# Altium PCB NANOEveryV3.0.PcbDoc
Units mil, origin at the board's own origin, x right, y up, seen from the top; angles counter-clockwise.
Board outline 1700 x 700 mil, 4 copper layers (Top, PWR, MID, Bottom), stack 36.419 mil thick; 54 components, 49 nets, 279 pads, 133 vias.
Unrouted connection lines stored in the file: 4.
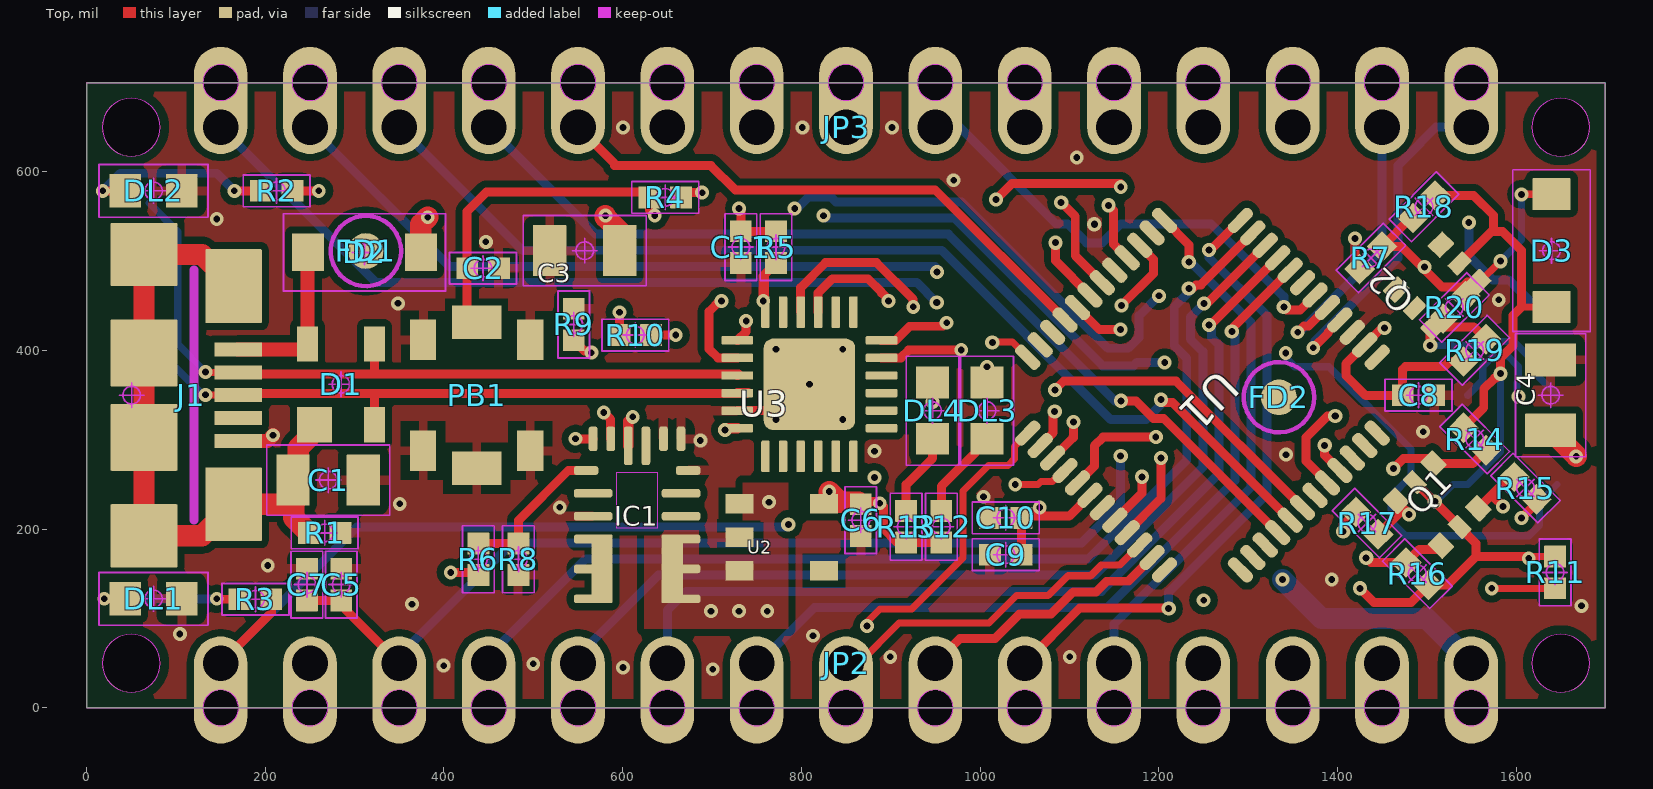
[diagram p0: Top view]
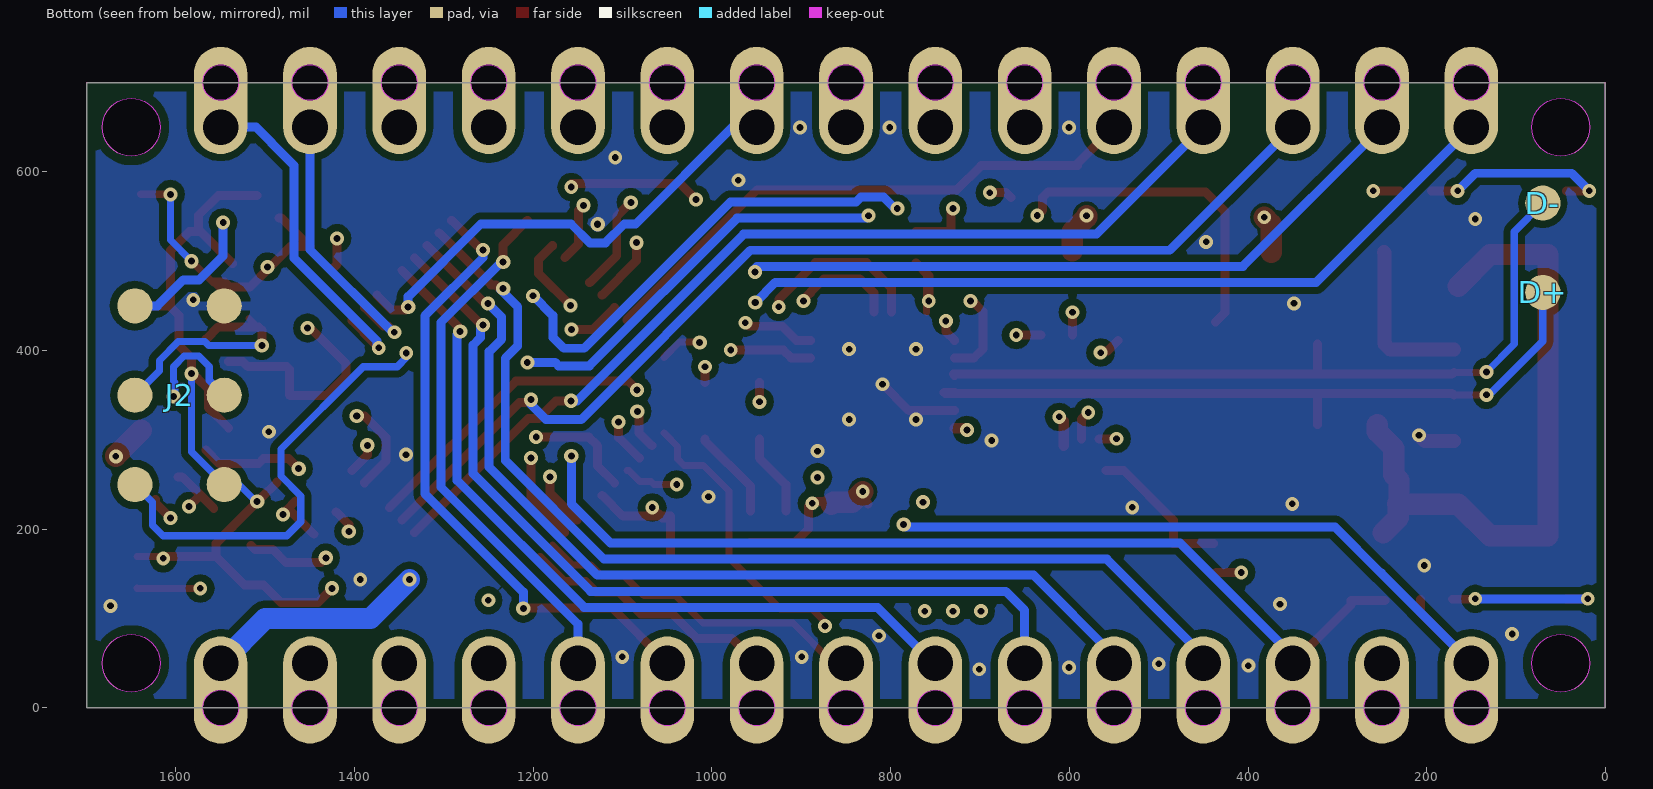
[diagram p1: Bottom view, seen from below]
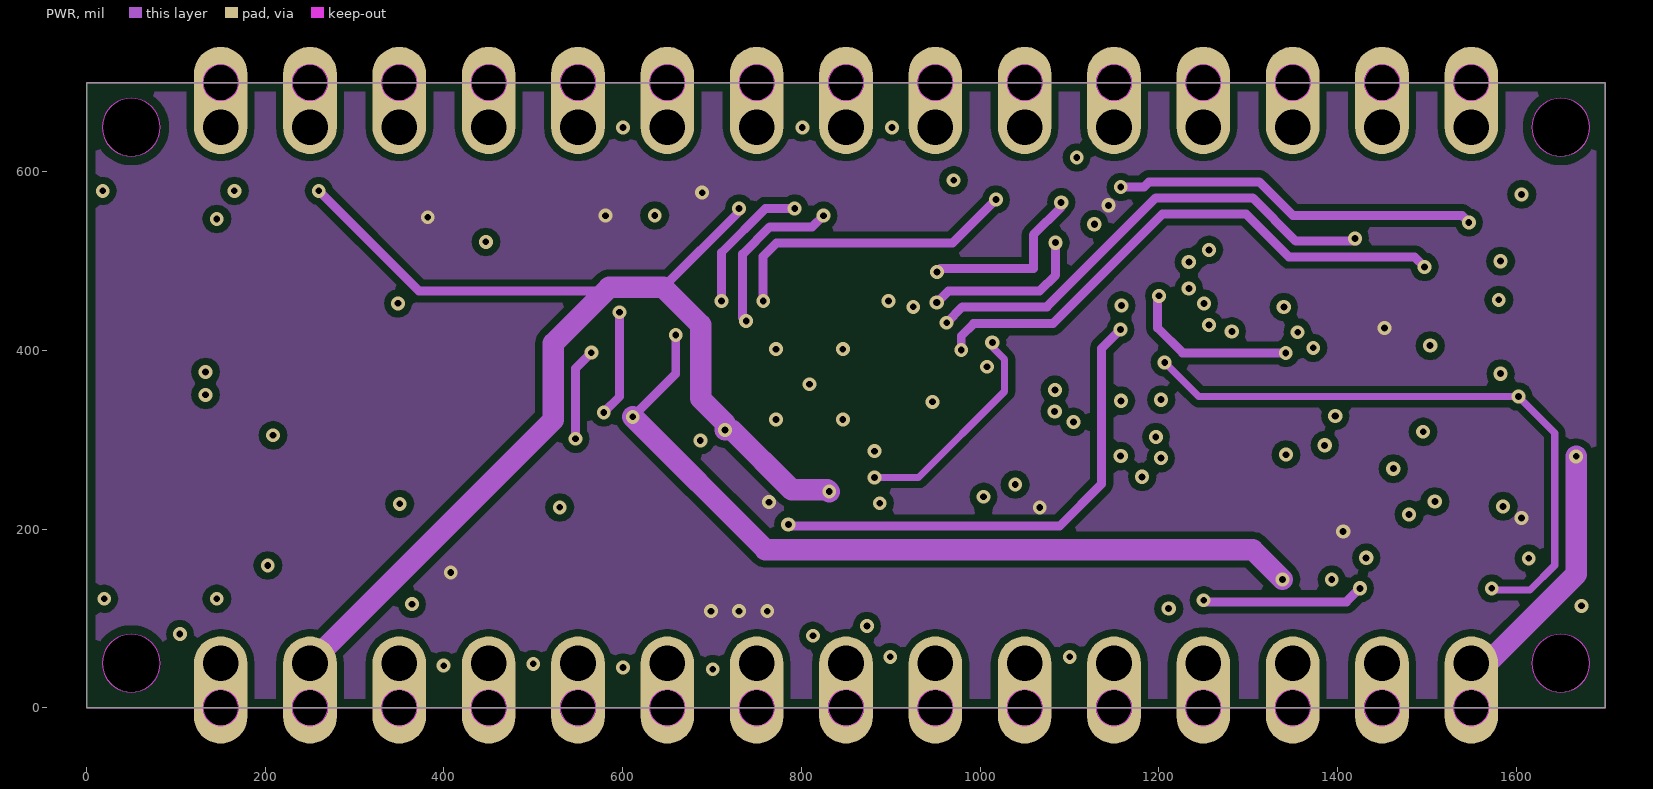
[diagram p2: PWR]
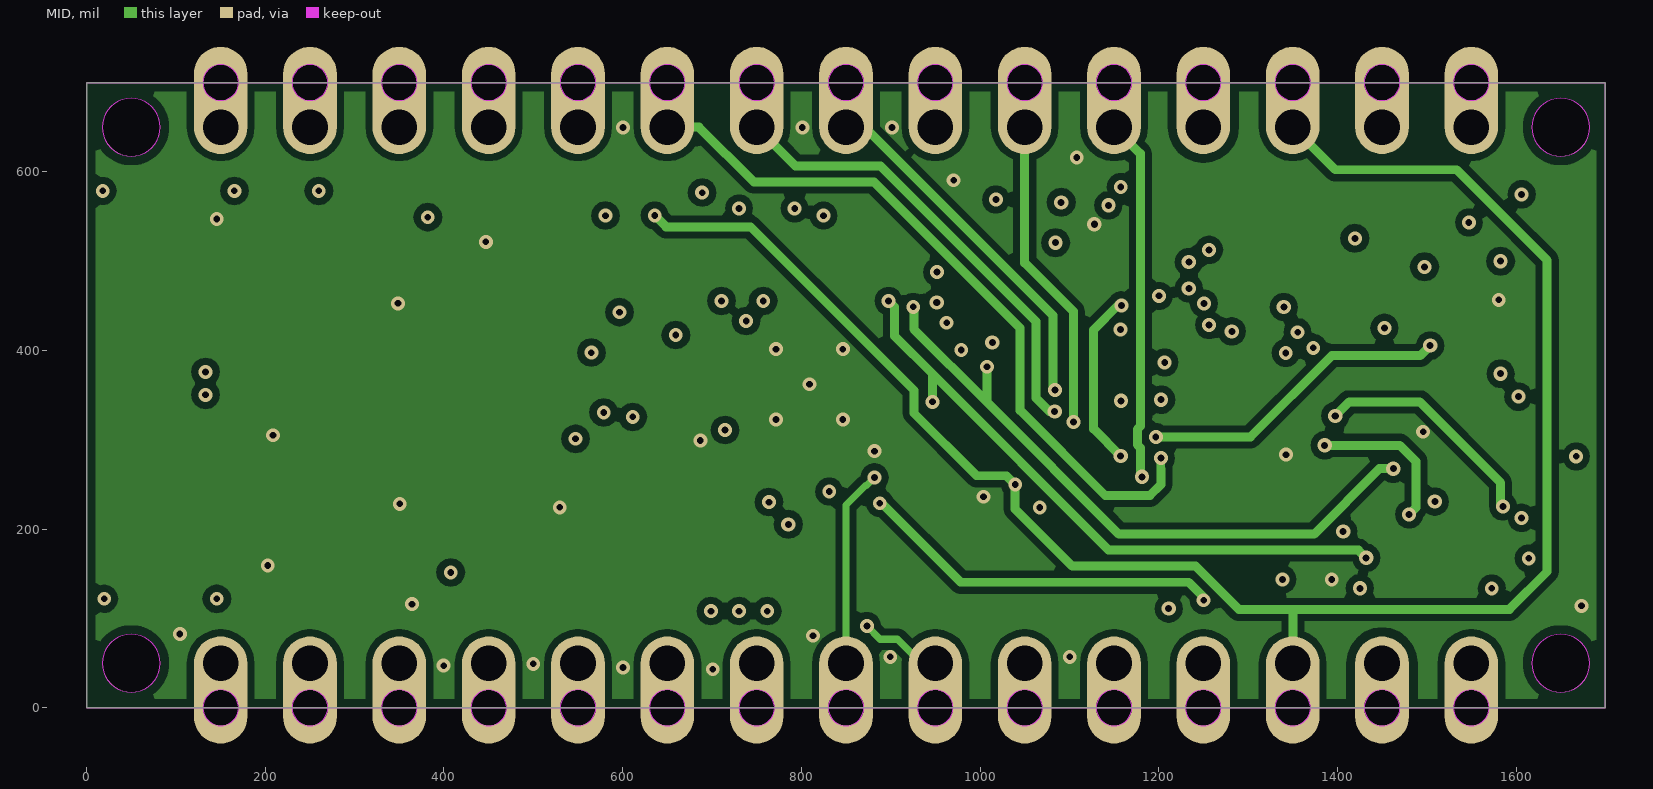
[diagram p3: MID]

## Layer stack, top to bottom
Top Solder: solder mask 0.4, Solder Resist, Dk 3.5
Top: signal copper 1.378
Dielectric 1: core 7.874, FR-4, Dk 4.8
PWR: signal copper 0.689
Dielectric3: core 11.811, FR-4, Dk 4.8
MID: signal copper 0.689
Dielectric2: dielectric 12.6, FR-4, Dk 4.8
Bottom: signal copper 1.378
Bottom Solder: solder mask 0.4, Solder Resist, Dk 3.5

## Board outline
1700,0 0,0 0,700 1700,700
cut-out: 1650,17.5 ccw(c1650,50) 1682.5,50 ccw(c1650,50) 1650,82.5 ccw(c1650,50) 1617.5,50 ccw(c1650,50)
cut-out: 1650,617.5 ccw(c1650,650) 1682.5,650 ccw(c1650,650) 1650,682.5 ccw(c1650,650) 1617.5,650 ccw(c1650,650)
cut-out: 50,617.5 ccw(c50,650) 82.5,650 ccw(c50,650) 50,682.5 ccw(c50,650) 17.5,650 ccw(c50,650)
cut-out: 50,17.5 ccw(c50,50) 82.5,50 ccw(c50,50) 50,82.5 ccw(c50,50) 17.5,50 ccw(c50,50)
cut-out: 550,680 ccw(c550,700) 570,700 ccw(c550,700) 550,720 ccw(c550,700) 530,700 ccw(c550,700)
cut-out: 650,680 ccw(c650,700) 670,700 ccw(c650,700) 650,720 ccw(c650,700) 630,700 ccw(c650,700)
cut-out: 750,680 ccw(c750,700) 770,700 ccw(c750,700) 750,720 ccw(c750,700) 730,700 ccw(c750,700)
cut-out: 450,680 ccw(c450,700) 470,700 ccw(c450,700) 450,720 ccw(c450,700) 430,700 ccw(c450,700)
cut-out: 150,680 ccw(c150,700) 170,700 ccw(c150,700) 150,720 ccw(c150,700) 130,700 ccw(c150,700)
cut-out: 250,680 ccw(c250,700) 270,700 ccw(c250,700) 250,720 ccw(c250,700) 230,700 ccw(c250,700)
cut-out: 350,680 ccw(c350,700) 370,700 ccw(c350,700) 350,720 ccw(c350,700) 330,700 ccw(c350,700)
cut-out: 850,680 ccw(c850,700) 870,700 ccw(c850,700) 850,720 ccw(c850,700) 830,700 ccw(c850,700)
cut-out: 1350,680 ccw(c1350,700) 1370,700 ccw(c1350,700) 1350,720 ccw(c1350,700) 1330,700 ccw(c1350,700)
cut-out: 1450,680 ccw(c1450,700) 1470,700 ccw(c1450,700) 1450,720 ccw(c1450,700) 1430,700 ccw(c1450,700)
cut-out: 1550,680 ccw(c1550,700) 1570,700 ccw(c1550,700) 1550,720 ccw(c1550,700) 1530,700 ccw(c1550,700)
cut-out: 1250,680 ccw(c1250,700) 1270,700 ccw(c1250,700) 1250,720 ccw(c1250,700) 1230,700 ccw(c1250,700)
cut-out: 950,680 ccw(c950,700) 970,700 ccw(c950,700) 950,720 ccw(c950,700) 930,700 ccw(c950,700)
cut-out: 1050,680 ccw(c1050,700) 1070,700 ccw(c1050,700) 1050,720 ccw(c1050,700) 1030,700 ccw(c1050,700)
cut-out: 1150,680 ccw(c1150,700) 1170,700 ccw(c1150,700) 1150,720 ccw(c1150,700) 1130,700 ccw(c1150,700)
cut-out: 1150,-20 ccw(c1150,0) 1170,0 ccw(c1150,0) 1150,20 ccw(c1150,0) 1130,0 ccw(c1150,0)
cut-out: 1050,-20 ccw(c1050,0) 1070,0 ccw(c1050,0) 1050,20 ccw(c1050,0) 1030,0 ccw(c1050,0)
cut-out: 950,-20 ccw(c950,0) 970,0 ccw(c950,0) 950,20 ccw(c950,0) 930,0 ccw(c950,0)
cut-out: 1250,-20 ccw(c1250,0) 1270,0 ccw(c1250,0) 1250,20 ccw(c1250,0) 1230,0 ccw(c1250,0)
cut-out: 1550,-20 ccw(c1550,0) 1570,0 ccw(c1550,0) 1550,20 ccw(c1550,0) 1530,0 ccw(c1550,0)
cut-out: 1450,-20 ccw(c1450,0) 1470,0 ccw(c1450,0) 1450,20 ccw(c1450,0) 1430,0 ccw(c1450,0)
cut-out: 1350,-20 ccw(c1350,0) 1370,0 ccw(c1350,0) 1350,20 ccw(c1350,0) 1330,0 ccw(c1350,0)
cut-out: 850,-20 ccw(c850,0) 870,0 ccw(c850,0) 850,20 ccw(c850,0) 830,0 ccw(c850,0)
cut-out: 350,-20 ccw(c350,0) 370,0 ccw(c350,0) 350,20 ccw(c350,0) 330,0 ccw(c350,0)
cut-out: 250,-20 ccw(c250,0) 270,0 ccw(c250,0) 250,20 ccw(c250,0) 230,0 ccw(c250,0)
cut-out: 150,-20 ccw(c150,0) 170,0 ccw(c150,0) 150,20 ccw(c150,0) 130,0 ccw(c150,0)
cut-out: 450,-20 ccw(c450,0) 470,0 ccw(c450,0) 450,20 ccw(c450,0) 430,0 ccw(c450,0)
cut-out: 750,-20 ccw(c750,0) 770,0 ccw(c750,0) 750,20 ccw(c750,0) 730,0 ccw(c750,0)
cut-out: 650,-20 ccw(c650,0) 670,0 ccw(c650,0) 650,20 ccw(c650,0) 630,0 ccw(c650,0)
cut-out: 550,-20 ccw(c550,0) 570,0 ccw(c550,0) 550,20 ccw(c550,0) 530,0 ccw(c550,0)

## Design rules (kind name [scope] priority, off if disabled: settings)
BoardOutlineClearance mdCopperDimension [All] p1: gap=10 ignorepadtopadclearanceinfootprint=FALSE except(0: Arc-SplitContinuation Track-SplitContinuation SMDPad-SplitContinuation THPad-SplitContinuation Via-SplitContinuation Fill-SplitContinuation Poly-SplitContinuation Region-SplitContinuation Text-SplitContinuation)
Clearance "Clearance (Same Net)" [All] p1: gap=8 ignorepadtopadclearanceinfootprint=FALSE
Clearance Clearance_for_NetClass_usb [InNetClass('usb') vs InNetClass('usb')] p2: gap=5 ignorepadtopadclearanceinfootprint=FALSE
Clearance [All] p3: gap=8 ignorepadtopadclearanceinfootprint=FALSE
HoleSize HoleSize_For_NetClass_usb [InNetClass('usb')] p1: absolutevalues=TRUE maxlimit=7.48 minlimit=7.48 maxpercent=80.000 minpercent=20.000
HoleSize [All] p2: absolutevalues=TRUE maxlimit=100000 minlimit=7.48 maxpercent=80.000 minpercent=20.000
HoleToHoleClearance mdDrill [All] p1: gap=8 allowstackedmicrovias=TRUE
MinimumSolderMaskSliver [All] p1 off: minsoldermaskwidth=10
PasteMaskExpansion Expansion_SMDPaste_OFF [InPadClass('SMDPaste_OFF')] p1: expansion=0
PasteMaskExpansion mlMinCreamFrame [All] p2: expansion=0
PolygonConnect PolygonConnect_For_PolygonThermal_ON_Width100000_Gap100000 [InPolygonClass('PolygonThermal_ON_Width100000_Gap100000') vs Not IsVia] p1: connectstyle=Relief reliefconductorwidth=10 reliefentries=4 polygonreliefangle="90 Angle" airgapwidth=10
PolygonConnect PolygonConnect_For_PolygonThermal_OFF [InPolygonClass('PolygonThermal_OFF')] p2: connectstyle=Direct reliefconductorwidth=10 reliefentries=4 polygonreliefangle="90 Angle" airgapwidth=10
PolygonConnect ThermalVias [IsVia] p3: connectstyle=Direct reliefconductorwidth=10 reliefentries=4 polygonreliefangle="90 Angle" airgapwidth=10
PolygonConnect [All] p4: connectstyle=Relief reliefconductorwidth=10 reliefentries=4 polygonreliefangle="90 Angle" airgapwidth=10
RoutingVias [All] p1: holewidth=7.48 width=15.48 viastyle="Through Hole" minholewidth=7.48 minwidth=15.48 maxholewidth=100 maxwidth=100
SolderMaskExpansion Expansion_SMDSolder_OFF [InPadClass('SMDSolder_OFF')] p1: expansion=0 istentingtop=FALSE
SolderMaskExpansion mlMinStopFrame [All] p2: expansion=4 istentingtop=FALSE
Width Width_For_NetClass_usb [InNetClass('usb')] p1: maxlimit=10 minlimit=7.48 preferedwidth=7.48
Width [All] p2: maxlimit=10000 minlimit=8 preferedwidth=8
26 further rules are at their usual default settings.

## Classes and differential pairs
polygon class PolygonThermal_ON_Width100000_Gap100000: Polygon_1_Net_+5V Polygon_1_Net_GND Polygon_2_Net_GND Polygon_3_Net_GND
polygon class PolygonThermal_OFF: Polygon_2_Net_+5V
pad class SMDSolder_OFF: IC1-1 IC1-2 IC1-3 IC1-4 IC1-5 IC1-6 IC1-7 IC1-8 IC1-9 IC1-10 IC1-11 IC1-12 IC1-13 IC1-14 IC1-15 IC1-16 IC1-17 IC1-18 U1-EP U3-1 U3-2 U3-3 U3-4 U3-5 U3-6 U3-7 U3-8 U3-9 U3-10 U3-11 U3-12 U3-13 U3-14 U3-15 U3-16 U3-17 U3-18 U3-19 U3-20 U3-21 U3-22 U3-23 U3-24 U3-EXP
pad class SMDPaste_OFF: D+-X D--X FD1-P$1 FD2-P$1 J2-1 J2-2 J2-3 J2-4 J2-5 J2-6 U1-EP U3-1 U3-2 U3-3 U3-4 U3-5 U3-6 U3-7 U3-8 U3-9 U3-10 U3-11 U3-12 U3-13 U3-14 U3-15 U3-16 U3-17 U3-18 U3-19 U3-20 U3-21 U3-22 U3-23 U3-24 U3-EXP
net class usb: USB_N USB_P

## Components (designator, comment, footprint, x,y, rotation, side; value= is the part's Value field where it differs from the comment)
C1 "" 0805-R2013X50N 270.37,254.92 r0 top
C2 "" 0402-1005X55N 443.7,492.13 r0 top
C3 "" 0805-R2013X50N 557.58,511.81 r180 top
C4 "" 0805-R2013X50N 1638.78,350 r90 top
C5 "" 0402-1005X55N 284.94,137.99 r90 top
C6 "" 0402-1005X55N 866.54,210.14 r270 top
C7 "" 0402-1005X55N 246.56,137.99 r90 top
C8 "" 0402-1005X55N 1490.85,350 r180 top
C9 "" 0402-1005X55N 1028.84,171.46 r0 top
C10 "" 0402-1005X55N 1028.84,212.7 r0 top
C11 "" 0402-1005X55N 732.28,515.75 r90 top
D1 "" SOT190P230X110-4N 284.65,362.2 r90 top
D2 "PMEG6020" SODFL3517X110N 311.02,509.84 r180 top
D3 "DNP" SODFL3517X110N 1639.76,511.81 r90 top
D+ "" TP-1.00MM 70,465 r0 top
D- "" TP-1.00MM 70,565 r0 top
DL1 "" LEDC1608X80N-AK 74.8,122.05 r180 top
DL2 "" LEDC1608X80N-AK 74.8,578.74 r180 top
DL3 "" LEDC1608X80N-AK 1007.87,332.68 r270 top
DL4 "" LEDC1608X80N-AK 946.85,332.68 r270 top
FD1 "" FD-1-1.5 312.6,511.42 r0 top
FD2 "" FD-1-1.5 1334.65,347.64 r0 top
FRAME1 "" FRAME 5.91,-125.98 r0 top
IC1 "MPM3610" MPM3610 616.14,204.72 r0 top
J1 "" ZX62-AB-5PA 50.39,350 r270 top
J2 "" 2X03-TP 1596,350 r90 top
JP2 "-" 1X15-CASTELL 850,50 r0 top
JP3 "" 1X15-CASTELL 850,650 r180 top
PB1 "" C&K_PTS820_NO_HOLES 436.61,350 r90 top
Q1 "BSS138PS" SOT363 1511.81,227.56 r45 top
Q2 "BSS138PS" SOT363 1511.81,472.44 r135 top
R1 "" 0402-1005X55N 266.44,195.87 r180 top
R2 "" 0402-1005X55N 212.6,578.74 r0 top
R3 "" 0402-1005X55N 188.98,121.56 r0 top
R4 "" 0402-1005X55N 647.64,571.36 r0 top
R5 "" 0402-1005X55N 771.65,515.75 r90 top
R6 "" 0402-1005X55N 438.48,166.34 r270 top
R7 "" 0402-1005X55N 1437.58,503.7 r225 top
R8 "" 0402-1005X55N 483.27,166.34 r90 top
R9 "" 0402-1005X55N 545.28,429.13 r270 top
R10 "" 0402-1005X55N 614.17,417.32 r0 top
R11 "" 0402-1005X55N 1643.7,151.57 r270 top
R12 "" 0402-1005X55N 956.69,202.76 r270 top
R13 "" 0402-1005X55N 917.32,202.76 r270 top
R14 "" 0402-1005X55N 1553.73,300.94 r135 top
R15 "" 0402-1005X55N 1610.57,246.06 r315 top
R16 "" 0402-1005X55N 1489.58,150.18 r315 top
R17 "" 0402-1005X55N 1433.21,206.83 r135 top
R18 "" 0402-1005X55N 1496.98,560.92 r45 top
R19 "" 0402-1005X55N 1553.73,400.18 r225 top
R20 "" 0402-1005X55N 1530.94,448.26 r225 top
U1 "ATMEGA4809" TQFP48 1249.02,350 r135 top
U2 "" SOT25 778.05,190.94 r90 top
U3 "" HVQFN24 809.06,362.2 r0 top

## Footprints (in the part's own frame and the unit in brackets; to place one, negate y for a bottom-side part, rotate by r counter-clockwise, add the part's x,y. Pads: shape width x height; smd on the part's side, far side on the other; paste and mask are expansions set on the pad)
1X15-CASTELL [mil] "1X15-CASTELL"
  oval 60x120 hole 40 copper offset 0,-30: 1(-700,0) 2(-600,0) 3(-500,0) 4(-400,0) 5(-300,0) 6(-200,0) 7(-100,0) 8(0,0) 9(100,0) 10(200,0) 11(300,0) 12(400,0) 13(500,0) 14(600,0) 15(700,0)
  body extent -730,-90 730,30, height 150
2X03-TP [mm] "2X03-TP"
  rrect100% 1x1 smd far side paste+0: 1(-2.54,1.27) 2(-2.54,-1.27) 3(0,1.27) 4(0,-1.27) 5(2.54,1.27) 6(2.54,-1.27)
  body extent -3.05,-1.78 3.05,1.78, height 1.27
0402-1005X55N [mm] "0402-1005X55N"
  rrect3% 0.62x0.62 smd: 1(-0.45,0) 2(0.45,0)
  Top keep-out circle w0.05: c0,0 r0.25
  Top keep-out lines w0.05: -0.35,0 0.35,0 ; 0,-0.35 0,0.35 ; -0.95,-0.45 -0.95,0.45 0.95,0.45 0.95,-0.45 -0.95,-0.45
  body extent -0.98,-0.48 0.98,0.48, height 3.81
0805-R2013X50N [mm] "0805-R2013X50N"
  rrect3% 0.95x1.45 smd: 1(-1,0) 2(1,0)
  Top keep-out circle w0.05: c0,0 r0.25
  Top keep-out lines w0.05: -0.35,0 0.35,0 ; 0,-0.35 0,0.35 ; -1.75,-1 -1.75,1 1.75,1 1.75,-1 -1.75,-1
  body extent -1.78,-1.03 1.78,1.03, height 3.81
C&K_PTS820_NO_HOLES [mm] "C&K_PTS820_NO_HOLES"
  rect 1.15x0.75 smd: 1(-1.575,1.525) 2(-1.575,-1.525) 3(1.575,1.525) 4(1.575,-1.525)
  rect 0.95x1.4 smd: 5(-2.075,0) 6(2.075,0)
  body extent -2.55,-1.9 2.55,1.9, height 1.27
FD-1-1.5 [mil] "FD-1-1.5"
  rrect100% 40x40 smd paste+0: P$1(0,0)
  Top keep-out circle w5: c0,0 r39.37
  body extent -44,-44 44,44, height 150
FRAME [mil] "FRAME"
HVQFN24 [mil] "HVQFN24"
  rrect30% 9.45x35.43 smd paste+0 mask+0: 1(-49.21,-80.71) 2(-29.53,-80.71) 3(-9.84,-80.71) 4(9.84,-80.71) 5(29.53,-80.71) 6(49.21,-80.71) 13(49.21,80.71) 14(29.53,80.71) 15(9.84,80.71) 16(-9.84,80.71) 17(-29.53,80.71) 18(-49.21,80.71)
  rrect30% 35.43x9.45 smd paste+0 mask+0: 7(80.71,-49.21) 8(80.71,-29.53) 9(80.71,-9.84) 10(80.71,9.84) 11(80.71,29.53) 12(80.71,49.21) 19(-80.71,49.21) 20(-80.71,29.53) 21(-80.71,9.84) 22(-80.71,-9.84) 23(-80.71,-29.53) 24(-80.71,-49.21)
  rrect20% 102.36x102.36 smd paste+0 mask+0: EXP(0,0)
  body extent -99,-99 99,99, height 150
LEDC1608X80N-AK [mil] "LEDC1608X80N-AK"
  rrect3% 35.43x37.4 smd: A(31.5,0) C(-31.5,0)
  Top keep-out circle w1.97: c0,0 r9.84
  Top keep-out lines w1.97: 13.78,0 -13.78,0 ; 0,13.78 0,-13.78 ; 61.02,29.53 -61.02,29.53 -61.02,-29.53 61.02,-29.53 61.02,29.53
  body extent -62,-31 62,31, height 150
MPM3610 [mm] "MPM3610"
  rrect60% 0.7x0.25 smd mask+0: 1(-1.45,1.55) 4(-1.45,-0.4) 5(-1.45,-1.25) 6(-1.45,-2.1) 7(1.45,-2.1) 8(1.45,-1.25) 9(1.45,-0.4) 12(1.45,1.55)
  rrect60% 1.1x0.25 smd mask+0: 2(-1.25,0.9) 3(-1.25,0.25) 10(1.25,0.25) 11(1.25,0.9)
  rrect60% 0.25x0.7 smd mask+0: 13(1.25,2.45) 14(0.75,2.45) 17(-0.75,2.45) 18(-1.25,2.45)
  rrect60% 0.25x1.1 smd mask+0: 15(0.25,2.25) 16(-0.25,2.25)
  rrect10% 0.6x1.95 smd: 19(-1,-1.25) 20(1,-1.25)
  Top keep-out region: -0.575,-0.1 -0.575,1.5 0.575,1.5 0.575,-0.1
  body extent -1.82,-2.27 1.82,2.82, height 3.81
SODFL3517X110N [mil] "SODFL3517X110N"
  rrect2% 35.83x42.13 smd: A(63.19,0) C(-63.19,0)
  Top keep-out circle w1.97: c0,0 r9.84
  Top keep-out lines w1.97: 13.78,0 -13.78,0 ; 0,13.78 0,-13.78 ; 90.55,43.31 90.55,-43.31 -90.55,-43.31 -90.55,43.31 90.55,43.31
  body extent -92,-44 92,44, height 150
SOT25 [mil] "SOT25"
  rect 21.65x31.5 smd: 1(37.4,47.24) 2(0,47.24) 3(-37.4,47.24) 4(-37.4,-47.24) 5(37.4,-47.24)
  body extent -48,-63 48,63, height 50
SOT190P230X110-4N [mm] "SOT190P230X110-4N"
  rrect3% 1x1 smd: 1(-1.15,0.75)
  rrect3% 1x0.6 smd: 2(-1.15,-0.95) 3(1.15,-0.95) 4(1.15,0.95)
  Top keep-out circle w0.05: c0,0 r0.25
  Top keep-out lines w0.05: 0,0.35 0,-0.35 ; -0.35,0 0.35,0
  body extent -1.65,-1.46 1.65,1.46, height 3.81
SOT363 [mil] "SOT363"
  rrect10% 19.69x23.62 smd: 1(-29.53,-35.43) 3(29.53,-35.43) 4(29.53,35.43) 6(-29.53,35.43)
  rrect10% 15.75x23.62 smd: 2(0,-35.43) 5(0,35.43)
  body extent -39,-47 39,47, height 50
TP-1.00MM [mm] "TP-1.00MM"
  rrect100% 1x1 smd far side paste+0: X(0,0)
  body extent -0.51,-0.51 0.51,0.51, height 1.27
TQFP48 [mil] "TQFP48"
  rrect80% 33.46x12.6 smd: 1(-168.31,108.27) 2(-168.31,88.58) 3(-168.31,68.9) 4(-168.31,49.21) 5(-168.31,29.53) 6(-168.31,9.84) 7(-168.31,-9.84) 8(-168.31,-29.53) 9(-168.31,-49.21) 10(-168.31,-68.9) 11(-168.31,-88.58) 12(-168.31,-108.27) 25(168.31,-108.27) 26(168.31,-88.58) 27(168.31,-68.9) 28(168.31,-49.21) 29(168.31,-29.53) 30(168.31,-9.84) 31(168.31,9.84) 32(168.31,29.53) 33(168.31,49.21) 34(168.31,68.9) 35(168.31,88.58) 36(168.31,108.27)
  rrect80% 12.6x33.46 smd: 13(-108.27,-168.31) 14(-88.58,-168.31) 15(-68.9,-168.31) 16(-49.21,-168.31) 17(-29.53,-168.31) 18(-9.84,-168.31) 19(9.84,-168.31) 20(29.53,-168.31) 21(49.21,-168.31) 22(68.9,-168.31) 23(88.58,-168.31) 24(108.27,-168.31) 37(108.27,168.31) 38(88.58,168.31) 39(68.9,168.31) 40(49.21,168.31) 41(29.53,168.31) 42(9.84,168.31) 43(-9.84,168.31) 44(-29.53,168.31) 45(-49.21,168.31) 46(-68.9,168.31) 47(-88.58,168.31) 48(-108.27,168.31)
  body extent -185,-185 185,185, height 150
ZX62-AB-5PA [mm] "ZX62-AB-5PA"
  rrect3% 0.4x1.35 smd: 1(-1.3,3.025) 2(-0.65,3.025) 3(0,3.025) 4(0.65,3.025) 5(1.3,3.025)
  rrect3% 2.1x1.6 smd: 6(3.1,2.9) 11(-3.1,2.9)
  rrect3% 1.8x1.9 smd: 7(4,0.35) 10(-4,0.35)
  rrect3% 1.9x1.9 smd: 8(1.2,0.35) 9(-1.2,0.35)
  Top keep-out circle w0.05: c0,0 r0.25
  Top keep-out lines w0.05: 0,-0.35 0,0.35 ; 0.35,0 -0.35,0
  Top keep-out lines w0.254: 3.556,1.778 -3.556,1.778
  body extent -4.9,-2.41 4.9,3.7, height 3.81

## Part data
C1 C3 C4: library part 0805-R2013X50N, PackageName=0805-R2013X50N
C2 C5 C6 C7 C8 C9 C10 C11 R1 R2 R3 R4 R5 R6 R7 R8 R9 R10 R11 R12 R13 R14 R15 R16 R17 R18 R19 R20: library part 0402-1005X55N, PackageName=0402-1005X55N
D1: library part SOT190P230X110-4N, PackageName=SOT190P230X110-4N
D2 D3: library part SODFL3517X110N, PackageName=SODFL3517X110N
D+ D-: library part TP-1.00MM, PackageName=TP-1.00MM
DL1 DL2 DL3 DL4: library part LEDC1608X80N-AK, PackageName=LEDC1608X80N-AK
FD1 FD2: library part FD-1-1.5, PackageName=FD-1-1.5
FRAME1: library part FRAME, PackageName=FRAME
J1: library part ZX62-AB-5PA, PackageName=ZX62-AB-5PA
J2: library part 2X03-TP, PackageName=2X03-TP
JP2 JP3: library part 1X15-CASTELL, PackageName=1X15-CASTELL
PB1: library part C&K_PTS820_NO_HOLES, PackageName=C&K_PTS820_NO_HOLES
Q1 Q2: library part SOT363, PackageName=SOT363
U1: library part TQFP48, PackageName=TQFP48
U2: library part SOT25, PackageName=SOT25
U3: library part HVQFN24, PackageName=HVQFN24
IC1: PackageName=MPM3610

## Free pads (board coordinates)
  round 65 hole 65 unplated: MH1(50,650) MH2(50,50) MH3(1650,50) MH4(1650,650)
  round 40 hole 40 unplated: MH1(150,700) MH1(1550,0) MH2(250,700) MH2(1450,0) MH3(350,700) MH3(1350,0) MH4(450,700) MH4(1250,0) MH5(550,700) MH5(1150,0) MH6(650,700) MH6(1050,0) MH7(750,700) MH7(950,0) MH8(850,0) MH8(850,700) MH9(750,0) MH9(950,700) MH10(650,0) MH10(1050,700) MH11(550,0) MH11(1150,700) MH12(450,0) MH12(1250,700) MH13(350,0) MH13(1350,700) MH14(250,0) MH14(1450,700) MH15(150,0) MH15(1550,700)

## Via types
v1: diameter 15.48/15.48/15.48/15.48 (per signal layer), hole 7.48, Top to Bottom, 87 vias
v2: diameter 15.87/15.87/15.87/15.87 (per signal layer), hole 7.87, Top to Bottom, 46 vias

## Nets (pads, with @x,y where several pads share a name; then routed paths per layer and width w, separated by ;. In a path a pad name is that pad's centre, name@x,y a point inside that pad or via, vN(x,y) a via of type N, cw(c..) or ccw(c..) an arc to the next point about the centre after c; other vN are vias at no path point)
+3V3: C6.1 C11.2 D3.C J2.1 JP2.2 Q1.2 Q1.5 Q2.2 R2.2 R5.2 R11.1 R12.2 R13.2 R14.2 R16.2 R18.2 U2.5 U3.24 | length 3328.3
  Top w8: v2@1505.51,233.86 1506.17,233.86 v2(1509.13,230.91) ; 1606.3,448.82 1606.5,448.62 D3.C ; v1(1614.17,167.32) 1616.14,169.29 R11.1
  Top w10: R2.2 v1(259.84,578.74) ; v1(730.32,559.06) 732.28,557.09 C11.2 R5.2 ; U2.5@825.3,228.35 831.2,234.25 v1(831.2,242.13) ; C6.1@866.54,227.85 866.54,231.07 885.83,231.07 v1(887.8,229.1) 891.74,225.16 891.74,200.78 907.48,185.04 R13.2 R12.2 ; v2(1425.2,133.86) 1440.94,118.11 1482.56,118.11 R16.2 1523.48,137.66 1555.12,169.29 ; Q1.5 1505.51,233.86 Q1.2 1555.12,184.25 1555.12,169.29 ; R18.2 1552.53,573.45 1574.8,551.18 1574.8,535.43 1572.83,533.46 ; Q2.2 1572.83,533.46 ; R14.2 1563.91,336.18 1563.91,357.02 1576.05,369.17 1577.83,369.17 v2(1582.68,374.02) 1582.68,391.73 1596.46,405.51 1596.46,438.98 1606.3,448.82 1606.3,511.81 1584.65,533.46 1572.83,533.46 ; v1(1614.17,167.32) 1612.2,169.29 1555.12,169.29
  Top w12: v1(714.57,311.02) 712.6,311.02 714.57,312.99 U3.24
  Top w24: v1(831.2,242.13) 843.01,230.32 864.07,230.32 C6.1@866.54,227.85
  PWR w10: v1(259.84,578.74) 372.12,466.47 580.78,466.47 ; 645.35,470.65 730.32,555.62 v1(730.32,559.06) ; v1(1250.3,120.37) 1251.97,118.7 1410.04,118.7 v2(1425.2,133.86)
  PWR w24: JP2.2 522.24,322.24 522.24,407.93 580.78,466.47 584.97,470.65 645.35,470.65 687.19,428.81 687.19,346.28 714.57,318.9 v1(714.57,311.02) 722.3,311.02 789.23,244.09 829.23,244.09 v1(831.2,242.13)
  MID w10: v1(887.8,229.1) 889.76,229.1 978.28,140.59 1233.43,140.59 1250.3,123.72 v1(1250.3,120.37)
  Bottom w8: v2(1509.13,230.91) 1510.43,230.91 1529.53,250 J2.1 1582.68,286.68 v2(1582.68,374.02)
+5V: C3.1 C8.2 C9.2 C10.2 D2.C IC1.7 IC1.8 IC1.9 IC1.20 JP2.12 R4.2 R6.2 R15.2 R17.2 R19.2 U1.14 U1.28 U1.42 U2.1 U2.3 | length 681.2
  Top w10: v1(407.48,151.57) 435.53,151.57 R6.2 ; R4.2 670.77,576.77 v1(688.98,576.77) ; C9.2 C10.2 ; U1.42@1123.04,237.95 1099.66,214.57 1068.9,214.57 ; v2(1143.7,562.54) 1149.61,556.64 1149.61,519.01 U1.28 ; v2(1406.56,197.52) 1406.56,205.24 R17.2 ; v2(1452.76,425.2) 1449.49,425.2 U1.14 1409.45,385.16 1409.45,372.05 1431.99,349.51 1472.64,349.51 C8.2 1473.13,378.64 1476.38,381.89 1519.69,381.89 1525.45,387.66 R19.2 ; v2(1606.3,212.6) 1623.1,229.4 R15.2 ; C10.2 1055.34,212.7 v1(1066.93,224.28) 1068.9,222.32 1068.9,214.57 ; C10.2 1046.56,214.57 1068.9,214.57
  Top w24: D2.C 374.21,541.54 v1(381.89,549.21) ; v1(580.71,550.97) 580.71,549.21 596.95,532.97 C3.1
  other v1: 698.82,108.27 730.32,108.27 761.81,108.27 763.78,230.32
A0: JP2.4 U1.23 | length 1186.1
  Top w10: v2(1233.76,469.46) 1237.91,469.46 1241.97,473.51 1247.26,473.51 U1.23
  Bottom w10: JP2.4 450,58.57 557.91,166.49 1120.87,166.49 1231.42,277.05 1231.42,391.28 1217.44,405.26 1217.44,448.99 1236.59,468.13 1235.08,468.13 v2(1233.76,469.46)
A1: JP2.5 U1.22 | length 1086.1
  Top w10: v2(1250.64,452.58) 1251.31,453.25 1254.83,453.25 U1.22
  Bottom w10: JP2.5 550,58.57 639.91,148.49 1128.32,148.49 1249.42,269.59 1249.42,398.73 1235.44,412.71 1235.44,437.38 v2(1250.64,452.58)
A2: JP2.6 U1.21 | length 1019.1
  Top w10: v2(1256.38,428.7) 1258.12,428.7 U1.21
  Bottom w10: JP2.6 650,109.23 671.26,130.49 1135.78,130.49 1267.42,262.13 1267.42,406.19 1259.31,414.3 1259.31,425.77 v2(1256.38,428.7)
A3: JP2.7 U1.20 | length 884.6
  Top w10: v2(1281.83,421.39) 1281,422.21 1281,423.75 U1.20
  Bottom w10: JP2.7 752.47,50 814.96,112.49 1143.23,112.49 1285.42,254.68 1285.42,417.8 v2(1281.83,421.39)
A4/SDA: JP2.8 U1.36 U1.46 | length 898.4
  Top w8: JP2.8 864.6,50 909.43,94.83 1009.97,94.83 1040.96,125.81 1076.31,125.81 1094.35,143.84 1098.42,147.92 1123.88,147.92 1135.69,159.73 1156.18,159.73 U1.46 ; v2(1013.78,409.11) 1013.78,409.45 1036.45,409.45 U1.36@1053.45,392.45
  PWR w8: v2(881.89,257.87) 931.1,257.87 1027.61,354.39 1027.61,390.07 1013.78,403.9 v2(1013.78,409.11)
  MID w8: JP2.8 850,227.1 871.74,248.84 872.86,248.84 v2(881.89,257.87)
A5/SCL: JP2.9 U1.37 U1.47 | length 710.6
  Top w8: v2(873.41,91.55) 873.41,93.12 871.95,94.58 888.2,110.83 923.65,110.83 980.9,168.08 980.9,242.71 984.25,246.06 987.2,249.02 1009.65,271.46 1031.23,271.46 1038.57,278.81 1038.57,292.67 U1.37@1053.45,307.55
  Top w10: JP2.9 977.83,77.83 1017.02,77.83 1044.4,105.21 1079.75,105.21 1104.47,129.92 1129.92,129.92 1141.73,141.73 1166.02,141.73 U1.47
  MID w8: v2(873.41,91.55) 888.14,76.83 907.78,76.83 934.61,50 JP2.9
A6: JP2.10 U1.24 | length 710.5
  Top w10: JP2.10 1111.92,111.92 1211.21,111.92 v2(1211.21,111.13) ; v2(1256.35,512.6) 1258.5,512.6 U1.24
  Bottom w10: v2(1211.21,111.13) 1211.21,129.56 1321.42,239.77 1321.42,438.83 1256.35,503.9 v2(1256.35,512.6)
A7: JP2.11 U1.25 | length 600.4
  Top w10: U1.25 1233.76,518.37 v2(1233.76,499.02)
  Bottom w10: JP2.11 1150,93.8 1303.42,247.22 1303.42,431.37 1235.78,499.02 v2(1233.76,499.02)
AREF: C5.1 C7.1 JP2.3 U1.27 | length 1360.1
  Top w10: C7.1 C5.1 284.94,115.06 JP2.3 ; v2(1158.27,450.39) 1193.97,486.1 1193.97,501.94 1178.72,517.18 U1.27
  MID w10: v2(1157.48,281.89) 1127.17,312.2 1127.17,423.23 1154.33,450.39 v2(1158.27,450.39)
  Bottom w10: JP2.3 350,58.57 475.91,184.49 1113.41,184.49 1157.48,228.56 v2(1157.48,281.89)
D2: JP3.5 U1.44 | length 468.5
  Top w10: U1.44 1181.1,240.33 1181.1,258.27 v2(1181.5,258.66)
  MID w10: JP3.5 1179.53,620.47 1179.53,315.21 1176.11,311.8 1176.11,294.61 1179.53,291.2 1179.53,260.63 v2(1181.5,258.66)
D3~: JP3.6 U1.39 | length 402.9
  Top w10: U1.39 1103.55,301.97 1103.94,301.97 1104.72,302.76 v2(1104.72,320.08)
  MID w10: JP3.6 1050,498.17 1104.72,443.44 v2(1104.72,320.08)
D4: JP3.7 U1.18 | length 541
  Top w10: v2(1340.06,448.62) 1343.31,445.37 1358.31,445.37 U1.18@1374.99,462.05
  Bottom w10: JP3.7 977.17,650 1085.56,541.61 1098.08,541.61 1119.28,520.4 1136.63,520.4 1157.83,541.61 1258.69,541.61 1340.06,460.24 v2(1340.06,448.62)
D5~: JP3.8 U1.6 | length 743.3
  Top w10: v2(1083.79,355.91) 1093.77,365.89 1219.21,365.89 U1.6
  MID w10: JP3.8 870.82,650 1081.82,439 1081.82,357.87 v2(1083.79,355.91)
D6~: JP3.9 U1.38 | length 561.5
  Top w10: U1.38 1081.89,308.15 1081.89,331.82 v2(1083.58,331.82)
  MID w10: JP3.9 793.28,606.72 888.57,606.72 1062.85,432.44 1062.85,346.65 1077.68,331.82 v2(1083.58,331.82)
D7: JP3.10 U1.45 | length 910.7
  Top w10: U1.45 1164.8,196.74 1202.43,234.37 v2(1202.43,279.53)
  MID w10: JP3.10 685.43,650 746.72,588.72 881.11,588.72 1044.85,424.98 1044.85,333.07 1140.19,237.72 1190.17,237.72 1202.43,249.99 1202.43,267.33 1202.36,267.4 1202.36,277.95 1202.43,278.02 v2(1202.43,279.53)
D8: JP3.11 U1.33 | length 636
  Top w10: JP3.11 590.55,609.45 590.55,607 698.82,607 726.02,579.8 949.62,579.8 U1.33
D9~: JP3.12 U1.4 | length 1071.2
  Top w10: v2(1157.87,343.7) 1174.4,343.7 1194.08,324.02 1205.4,324.02 U1.4
  Bottom w10: JP3.12 569.77,530.23 964.53,530.23 1151.06,343.7 v2(1157.87,343.7)
D10~: JP3.13 U1.5 | length 1200.8
  Top w10: v2(1202.76,344.95) 1205.69,342.02 1215.24,342.02 U1.5
  Bottom w10: JP3.13 487.77,512.23 957.07,512.23 1146.54,322.76 1185.76,322.76 1202.76,339.76 v2(1202.76,344.95)
D11_RESET: J2.6 R5.1 U3.18 | length 1166.6
  Top w8: U3.18 759.84,486.22 R5.1
  Top w10: v1(757.31,455.49) 757.31,483.68 R5.1 ; v1(1017.82,569) 1035.63,586.81 1157.48,586.81 v1(1157.48,582.96)
  PWR w10: v1(757.31,455.49) 757.31,505.47 772.15,520.32 969.13,520.32 v1(1017.82,569) ; v1(1157.48,582.96) 1183.35,582.96 1189.26,588.87 1312.57,588.87 1350.26,551.18 1539.37,551.18 v1(1547.24,543.31)
  Bottom w10: v1(1547.24,543.31) 1547.24,505.91 1561.74,491.41 1561.74,491.33 1574,479.06 1591.8,479.06 1620.87,450 J2.6
D11_SWCLK: J2.3 R11.2 U3.19 | length 1558.9
  Top w8: v1(1572.93,133.76) 1643.6,133.76 R11.2@1643.7,133.86
  Top w10: U3.19 738.19,421.26 v1(738.19,433.07)
  PWR w8: v1(1206.69,386.63) 1244.9,348.43 v2(1602.61,348.43) 1643.32,307.72 1643.32,159.55 1615.67,131.89 1576.77,131.89 1574.9,133.76 v1(1572.93,133.76)
  PWR w10: v1(738.19,433.07) 734.25,437.01 734.25,507.87 764.69,538.32 812.15,538.32 v1(824.8,550.97)
  Bottom w8: J2.3 1562.74,366.74 1562.74,382.27 1574.42,393.95 1590.94,393.95 1602.61,382.27 1602.61,365.76 1601.04,364.18 1601.04,350 v2(1602.61,348.43)
  Bottom w10: v1(824.8,550.97) 824.8,550.2 826.77,548.23 971.99,548.23 1137.36,382.85 1171.81,382.85 1175.59,386.63 v1(1206.69,386.63)
D11_SWDIO: J2.2 U3.20 | length 1475.6
  Top w10: v1(710.63,455.49) 708.66,455.49 696.85,443.68 696.85,401.57 706.8,391.62 720.47,391.62 720.58,391.73 U3.20
  PWR w10: v1(710.63,455.49) 710.63,509.71 759.98,559.06 v1(792.52,559.06) ; v1(1200.27,461.14) 1198.82,459.7 1198.82,425.2 1226.77,397.25 v1(1342.16,397.25)
  Bottom w8: v1(1342.16,397.25) 1342.16,392.09 1352.36,381.89 1390.49,381.89 1482.54,289.84 1482.54,259.46 1460.38,237.3 1460.38,208.28 1475.99,192.66 1614.56,192.66 1626.24,204.34 1626.24,230.24 J2.2
  Bottom w10: v1(792.52,559.06) 795.28,559.06 807.93,571.71 833.39,571.71 838.87,566.23 979.44,566.23 1143.13,402.54 1165.91,402.54 1178.17,414.8 1178.17,439.05 v1(1200.27,461.14)
GND: C1.2 C2.2 C3.2 C4.2 C5.2 C6.2 C7.2 C8.1 C9.1 C10.1 C11.1 DL1.C DL2.C IC1.3 IC1.12 IC1.13 IC1.14 J1.5 J2.5 JP2.14 JP3.4 PB1.1 PB1.2 PB1.3 PB1.4 PB1.5 R1.1 R8.1 R9.1 U1.15 U1.29 U1.43 U2.2 U3.23 U3.EXP | length 134.7
  Top w10: U3.23 779.53,332.68 v1(809.06,362.2)
  Top w16: J1.5 202.36,298.82 v1(208.66,305.12)
  other v1: 700.79,43.31 600.39,45.28 399.61,47.24 500,49.21 899.61,57.09 1100.39,57.09 812.99,80.71 104.33,82.68 1673.23,114.17 364.17,116.14 1393.7,143.7 202.76,159.45 529.53,224.41 350.39,228.35 1003.94,236.22 1342.52,283.46 881.89,287.4 687.01,299.21 1496.06,309.06 771.65,322.83 846.46,322.83 771.65,401.57 846.46,401.57 348.43,452.76 1580.71,456.69 446.85,521.65 145.67,547.24 970.47,590.55 1108.27,616.14 600.39,649.61 801.18,649.61 901.57,649.61
  other v2: 1127.95,541.34
MISO: JP3.15 U1.31 | length 1139.4
  Top w10: v2(1084.53,520.67) 1084.53,500.57 U1.31@1123.04,462.05
  PWR w10: v2(951.57,453.61) 964.79,466.82 1066.9,466.82 1084.53,484.45 v2(1084.53,520.67)
  Bottom w10: JP3.15 323.77,476.23 928.95,476.23 v2(951.57,453.61)
MOSI: JP3.14 U1.30 | length 1078.6
  Top w10: v2(1090.9,565.87) 1106.65,550.13 1106.65,506.29 U1.30
  PWR w10: v2(951.93,487.76) 955.87,491.7 1059.66,491.7 1059.66,529.34 1090.9,560.59 v2(1090.9,565.87)
  Bottom w10: JP3.14 405.77,494.23 949.47,494.23 953.94,489.76 v2(951.93,487.76)
N$1: C1.1 D1.1 J1.6 J1.7 J1.8 J1.9 J1.10 J1.11 R1.2 | length 751.1
  Top w24: J1.11 129.13,507.48 J1.10 J1.9 J1.8 J1.7 129.13,192.52 J1.6 C1.1@231.89,227.95 ; R1.2 231.89,212.7 C1.1@231.89,227.95 ; D1.1 255.12,309.06 236.91,290.85 236.91,260.83 C1.1 231,229.63 232.28,228.35 C1.1@231.89,227.95
N$2: DL2.A R2.1 | length 218.6
  Top w10: v1(17.94,578.74) DL2.A ; v1(165.35,578.74) R2.1
  Bottom w10: v1(17.94,578.74) 37.62,598.43 145.67,598.43 v1(165.35,578.74)
N$3: DL1.A R3.1 | length 175.4
  Top w10: v1(19.69,122.05) DL1.A ; v1(145.67,122.05) 146.16,121.56 R3.1
  Bottom w10: v1(19.69,122.05) v1(145.67,122.05)
N$5: IC1.1 R6.1 R8.2 | length 169.4
  Top w10: R6.1 R8.2 483.27,209.65 539.37,265.75 IC1.1@559.06,265.75
N$6: IC1.18 R9.2 | length 150
  Top w10: R9.2 557.09,399.61 564.96,399.61 v1(564.96,397.64) ; v1(547.24,301.18) IC1.18
  PWR w10: v1(547.24,301.18) 547.24,379.92 v1(564.96,397.64)
N$7: IC1.17 R10.1 | length 177.9
  Top w10: v1(578.74,330.71) 586.61,322.84 IC1.17 ; R10.1@596.46,417.32 v1(596.46,442.91)
  PWR w10: v1(578.74,330.71) 596.46,348.43 v1(596.46,442.91)
N$11: DL3.A R12.1 | length 101.9
  Top w10: R12.1 956.69,248.03 1007.87,299.21 DL3.A
N$12: DL4.A R13.1 | length 92.9
  Top w10: R13.1 917.32,250 946.85,279.53 DL4.A
RESETN: C2.1 JP2.13 JP3.3 PB1.6 R4.1 U1.40 | length 2414.5
  Top w8: v1(1039.37,250) 1064.73,250 1068.24,253.51 1080.97,253.51 1093.25,265.79 U1.40
  Top w10: PB1.6 425.98,442.32 C2.1 425.98,555.91 447.34,577.26 624.02,577.26 R4.1 629.92,557.09 v1(635.83,551.18)
  MID w10: v1(635.83,551.18) 648.69,538.32 738.91,538.32 738.98,538.39 743.11,538.39 926.1,355.39 926.1,329.99 996.25,259.84 1029.53,259.84 v1(1039.37,250) 1039.37,222.51 1103.29,158.59 1241.41,158.59 1289.76,110.24 1350.39,110.24 ; JP2.13 1350.39,50.39 1350.39,110.24 ; JP3.3 1397.64,602.36 1533.46,602.36 1634.91,500.91 1634.91,152.63 1592.52,110.24 1350.39,110.24
RX0: Q1.6 R17.1 U1.9 | length 270.6
  Top w10: v2(1385.83,293.89) 1385.83,282.79 U1.9 ; R17.1 1472.29,220.85 v2@1476.76,220.85 ; Q1.6 v2@1476.76,220.85 ; v2(1480.32,216.54) 1480.32,217.3 v2@1476.76,220.85
  MID w10: v2(1385.83,293.89) 1469.89,293.89 1480.32,283.46 1488.19,275.59 1488.19,224.41 v2(1480.32,216.54)
RX1: JP3.2 U1.17 | length 314.6
  Top w10: v1(1355.55,420.51) 1362.41,427.37 1367.6,427.37 1388.36,448.13 U1.17
  Bottom w10: v1(1355.55,420.51) 1357.52,420.51 1450,512.99 JP3.2
RX_D11: DL3.C Q1.4 R14.1 U3.16 | length 1052
  Top w10: U3.16 799.21,470.47 827.06,498.32 884.14,498.32 925.2,457.26 v1(925.2,448.82) ; DL3.C v1(1007.87,381.89) ; v2(1462.6,267.72) 1474.09,279.21 1501.92,279.21 Q1.4 1551.33,273.49 R14.1@1566.25,288.41
  MID w10: v1(925.2,448.82) 926.01,448 926.01,424.04 1007.87,342.18 ; v1(1007.87,381.89) 1007.87,342.18 ; v2(1462.6,267.72) 1447.14,267.72 1374.02,194.59 1155.47,194.59 1007.87,342.18
RX_UPDI: R7.2 U3.12 | length 657.8
  Top w10: U3.12 905.51,411.42 921.26,427.17 958.66,427.17 v1(962.6,431.1) ; v2(1419.59,525.5) 1419.59,496.64 R7.2
  PWR w10: v1(962.6,431.1) 980.32,448.82 1074.8,448.82 1196.85,570.87 1305.12,570.87 1353.42,522.57 1421.26,522.57 1419.59,524.24 v2(1419.59,525.5)
SCK: JP2.1 R3.2 U1.32 | length 1405.7
  Top w10: JP2.1 206.69,106.69 R3.2 ; U1.32 1133.78,423.47 v2(1157.24,423.47)
  PWR w10: v2(785.43,205.43) 787.32,203.54 1088.98,203.54 1136.22,250.79 1136.22,402.46 v2(1157.24,423.47)
  Bottom w10: JP2.1 250.79,150.79 251.15,150.79 302.85,202.49 782.5,202.49 v2(785.43,205.43)
TX0: Q1.3 R15.1 U1.8 | length 434.2
  Top w10: U1.8 1388.91,252.41 1364.89,276.43 1364.89,302.57 1389.1,326.77 v2(1397.64,326.77) ; Q1.3@1557.75,223.38 1570.72,236.36 ; v2(1585.48,225.54) 1574.66,236.36 1570.72,236.36 ; R15.1 1592.95,258.59 1570.72,236.36
  MID w10: v2(1397.64,326.77) 1413.39,342.52 1492.13,342.52 1582.68,251.97 1582.68,228.35 v2(1585.48,225.54)
TX1: JP3.1 U1.16 | length 387.1
  Top w10: v1(1373.09,402.98) 1389.55,419.44 1389.55,420.39 1402.83,433.67 U1.16
  Bottom w10: v1(1373.09,402.98) 1375.05,404.95 1375.05,410.68 1468,503.63 1468,607.19 1493,632.19 1493,632.76 1510.24,650 JP3.1
TX_D11: DL4.C Q1.1 R16.1 U3.15 | length 937.7
  Top w10: U3.15 818.9,464.57 834.65,480.32 874.64,480.32 889.77,465.18 889.77,464.56 897.64,456.69 v1(897.64,455.49) ; v1(946.84,342.52) DL4.C ; v2(1432.3,167.94) 1437.54,162.71 1477.05,162.71 1491.73,177.39 1511.81,177.39 Q1.1
  MID w10: v1(897.64,455.49) 904.46,448.67 904.46,416.21 946.84,373.82 ; v1(946.84,342.52) 946.84,373.82 ; v2(1432.3,167.94) 1423.66,176.59 1144.07,176.59 946.84,373.82
TX_UPDI: D3.A Q2.1 R7.1 R18.1 R20.1 U3.11 | length 1061.4
  Top w8: R20.1 1543.46,462.34 1557.75,476.62 1559.29,476.62 v2(1582.68,500) ; v2(1606.3,574.8) 1606.5,575 D3.A
  Top w10: U3.11 911.42,391.73 920.2,400.52 v1(979,400.52) ; R18.1@1484.45,548.4 1482.28,548.4 R7.1 1471.96,516.23 v2@1496.06,492.13 ; v2(1497.56,493.62) v2@1496.06,492.13 ; Q2.1@1557.75,476.62 1545.51,476.62 1539.79,470.9 1517.29,470.9 v2@1496.06,492.13
  PWR w10: v1(979,400.52) 979,416.27 992.78,430.05 1081.49,430.05 1204.31,552.87 1297.66,552.87 1345.96,504.57 1486.62,504.57 v2(1497.56,493.62)
  Bottom w8: v2(1582.68,500) 1606.3,523.62 v2(1606.3,574.8)
UPDI: J2.4 Q2.6 R19.1 R20.2 U1.41 | length 748.7
  Top w8: Q2.6 1509.18,426.51 R20.2
  Top w10: U1.41 1127.95,270.7 1127.95,293.31 1137.8,303.15 1149.13,303.15 1149.2,303.08 1166.55,303.08 1166.62,303.15 v1(1196.85,303.2) v1(1196.85,303.2) ; v2(1503.94,405.51) 1503.94,422.81 Q2.6 1552.46,426.51 R19.1@1566.25,412.71
  MID w10: v1(1196.85,303.2) 1302.64,303.2 1393.83,394.39 1492.81,394.39 v2(1503.94,405.51)
  Bottom w8: v2(1503.94,405.51) 1563.35,405.51 1567.79,409.95 1597.56,409.95 1618.61,388.9 1618.61,377.39 J2.4
USB_N: D1.3 D-.X J1.2 U3.21 | length 851.8
  Top w8: v1(133.13,375.98) 131.89,375.98 132.28,375.59 J1.2
  Top w10: J1.2 171.46,373.62 322.83,373.62 ; D1.3 322.05,374.41 322.83,373.62 ; U3.21 729.92,373.62 322.83,373.62
  Bottom w8: D-.X 101.95,533.05 101.95,407.17 v1(133.13,375.98)
USB_P: D1.2 D+.X J1.3 U3.22 | length 799.2
  Top w8: v1(133.13,350.39) 169.09,350.39 J1.3 ; U3.22 U3.22@728.35,353.2
  Top w10: J1.3 171.46,351.97 322.83,351.97 ; D1.2 322.05,351.18 322.83,351.97 ; U3.22@728.35,353.2 740.16,353.2 738.92,351.97 322.83,351.97
  Bottom w8: D+.X 70,410.32 129.92,350.39 v1(133.13,350.39)
VIN: C4.1 IC1.16 JP2.15 R10.2 | length 1558.1
  Top w10: R10.2 v1(659.45,417.32)
  Top w12: IC1.16 606.3,320.87 606.37,320.8 v1(611.29,325.72)
  Top w24: C4.1 1667.32,282.09 v1(1667.32,281.5)
  PWR w10: v1(611.29,325.72) 659.45,373.88 v1(659.45,417.32)
  PWR w24: v1(611.29,325.72) 759.84,177.17 1305.12,177.17 v1(1338.58,143.7) ; JP2.15 1567.72,50 1667.32,149.61 v1(1667.32,281.5)
  Bottom w24: v1(1338.58,143.7) 1382.28,100 1500,100 JP2.15
VUSB: D1.4 D2.A J1.1 | length 183
  Top w16: J1.1 240.94,401.18 D1.4 247.24,431.1 247.24,509.25 D2.A
pads on no net: FD1.P$1 FD2.P$1 IC1.2 IC1.4 IC1.5 IC1.6 IC1.10 IC1.11 IC1.15 IC1.19 J1.4 Q2.3 Q2.4 Q2.5 U1.1 U1.2 U1.3 U1.7 U1.10 U1.11 U1.12 U1.13 U1.19 U1.26 U1.34 U1.35 U1.48 U2.4 U3.1 U3.2 U3.3 U3.4 U3.5 U3.6 U3.7 U3.8 U3.9 U3.10 U3.13 U3.14 U3.17

## Polygon pours and split planes (outlines as drawn)
GND on Bottom "Polygon_1_Net_GND" (solid, remove dead copper, pour order 2): -5,713.66 1705,713.66 1705,-5 -5,-5 -5,669.29
+5V on Top "Polygon_2_Net_+5V" (solid, remove dead copper, pour order 3): 623.95,198.88 685.1,198.88 685.1,171.32 757.81,171.32 757.81,208.6 734.19,208.6 734.19,252.03 785.5,252.03 785.5,88.52 623.95,88.52
GND on Top "Polygon_2_Net_GND" (solid, remove dead copper, pour order 4): -5,713.66 1705,713.66 1705,-5 -5,-5
GND on MID "Polygon_3_Net_GND" (solid, remove dead copper, pour order 0): -1.93,713.66 1705,713.66 1705,-5 -5,-5 -5,701.41
+5V on PWR "Polygon_1_Net_+5V" (solid, remove dead copper, pour order 1): -5,713.66 1705,713.66 1705,-5 -5,-5

## Keep-outs
Keep-Out Layer:
  the board outline again, w0.39

## Silkscreen, mask and mechanical layers (free items; w line width, h text height)
Dimension:
  the board outline again, w0.39
bDocu:
  region: 141.73,340.55 141.73,537.4 338.58,537.4 338.58,340.55
test-probe:
  circle w24: c1078.15,579.72 r7.87
  circle w24: c978.15,579.72 r7.87
  circle w24: c1078.15,407.28 r7.87
  circle w24: c978.15,407.28 r7.87
  circle w24: c878.15,407.28 r7.87
  circle w24: c319.09,458.46 r7.87
  circle w24: c319.09,549.02 r7.87
  circle w24: c224.61,549.02 r7.87
  circle w24: c224.61,458.46 r7.87
  circle w24: c555.12,312.8 r7.87
  circle w24: c649.8,312.8 r7.87
  text "5V" at 907.48,1007.87 h108.5 r90
  text "VIN(5V)" at 1007.48,1007.87 h108.5 r90
  text "VCC" at 1107.48,1007.87 h108.5 r90
  text "GND" at 1207.48,1007.87 h108.5 r90
  text "RESET" at 1307.48,1007.87 h108.5 r90
  text "14" at 1407.48,1007.87 h108.5 r90
  text "13" at 1507.48,1007.87 h108.5 r90
  text "12" at 1607.48,1007.87 h108.5 r90
  text "11" at 1707.48,1007.87 h108.5 r90
  text "10" at 1807.48,1007.87 h108.5 r90
  text "9" at 1907.48,1007.87 h108.5 r90
  text "8" at 2007.48,1007.87 h108.5 r90
  text "7" at 2107.48,1007.87 h108.5 r90
  text "6" at 2207.48,1007.87 h108.5 r90
  text "SWCLK" at 1007.48,607.87 h108.5 r90
  text "SWDIO" at 1107.48,607.87 h108.5 r90
  text "USB_5V" at 236.22,582.68 h108.5 r90
  text "USB_D-" at 358.27,578.74 h108.5 r90
  text "BATT+" at 586.61,338.58 h108.5 r90
  text "BATT-" at 685.04,338.58 h108.5 r90
  text "VTG" at 1096.17,206.57 h108.5 r90
  text "JRST" at 996.17,159.35 h108.5 r90
  text "JGND" at 896.17,156.64 h108.5 r90
  text "USB_D+" at 358.27,43.31 h108.5 r90
  text "USB_GND" at 244.09,-51.18 h108.5 r90
  text "4" at 2101.57,-63.4 h108.5 r90
  text "0" at 1701.57,-63.63 h108.5 r90
  text "1" at 1802.32,-63.55 h108.5 r90
  text "2" at 1902.92,-65.59 h108.5 r90
  text "3" at 2001.57,-66.34 h108.5 r90
  text "5" at 2200.21,-66.34 h108.5 r90
  text "A0" at 1001.57,-130.42 h108.5 r90
  text "A1" at 1102.32,-130.34 h108.5 r90
  text "A2" at 1202.92,-129.67 h108.5 r90
  text "A4" at 1401.57,-129.59 h108.5 r90
  text "A3" at 1301.57,-131.55 h108.5 r90
  text "A5" at 1500.21,-131.55 h108.5 r90
  text "A6" at 1601.57,-132.75 h108.5 r90
  text "AREF" at 897.58,-251.8 h108.5 r90

## Dimensions
0,895.67 to 2661.42,895.67 on tFinish

## Text inside footprints (layer, text, board x,y; h text height)
FRAME1: Reference "This work is licensed under a Creative Commons Attribution-ShareAlike 4.0 International License." at -3094.09,-1125.98 h50.2; Reference "ARDUINO and other Arduino brands and logos and Trademarks of Arduino SA. All Arduino SA Trademarks cannot be used without owner's formal permission" at -3094.09,-948.8 h50.2; Reference "The product information on the Web Site or Materials is subject to change without notice. Do not finalize a design with this info" at -3094.09,-771.62 h50.2; Reference "these for future definition and shall have no responsibility whatsoever for conflicts or incompatibilities arising from future changes to them." at -3094.09,-683.03 h50.2; Reference "rely on the absence or characteristics of any features or instructions marked \"reserved\" or \"undefined.\" Arduino SA reserves" at -3094.09,-594.44 h50.2; Reference "Arduino SA may make changes to specifications and product descriptions at any time, without notice. The Customer must not" at -3094.09,-505.85 h50.2; Reference "REGARDING PRODUCTS, INCLUDING BUT NOT LIMITED TO, ANY IMPLIED WARRANTIES OF MERCHANTABILITY OR FITNESS FOR A PARTICULAR PURPOSE" at -3094.09,-328.67 h50.2; Reference "Reference Designs ARE PROVIDED \"AS IS\" AND \"WITH ALL FAULTS. Arduino SA DISCLAIMS ALL OTHER WARRANTIES, EXPRESS OR IMPLIED," at -3094.09,-240.08 h50.2